# Altium PCB HV_Diffuser.PcbDoc (part 1 of 2)
Units mm, origin at the board's own origin, x right, y up, seen from the top; angles counter-clockwise.
Board outline 200 x 50 mm, 4 copper layers (Top Side, Ground Plane, Power Plane, Bottom Side), stack 0.844 mm thick; 181 components, 110 nets, 544 pads, 222 vias.
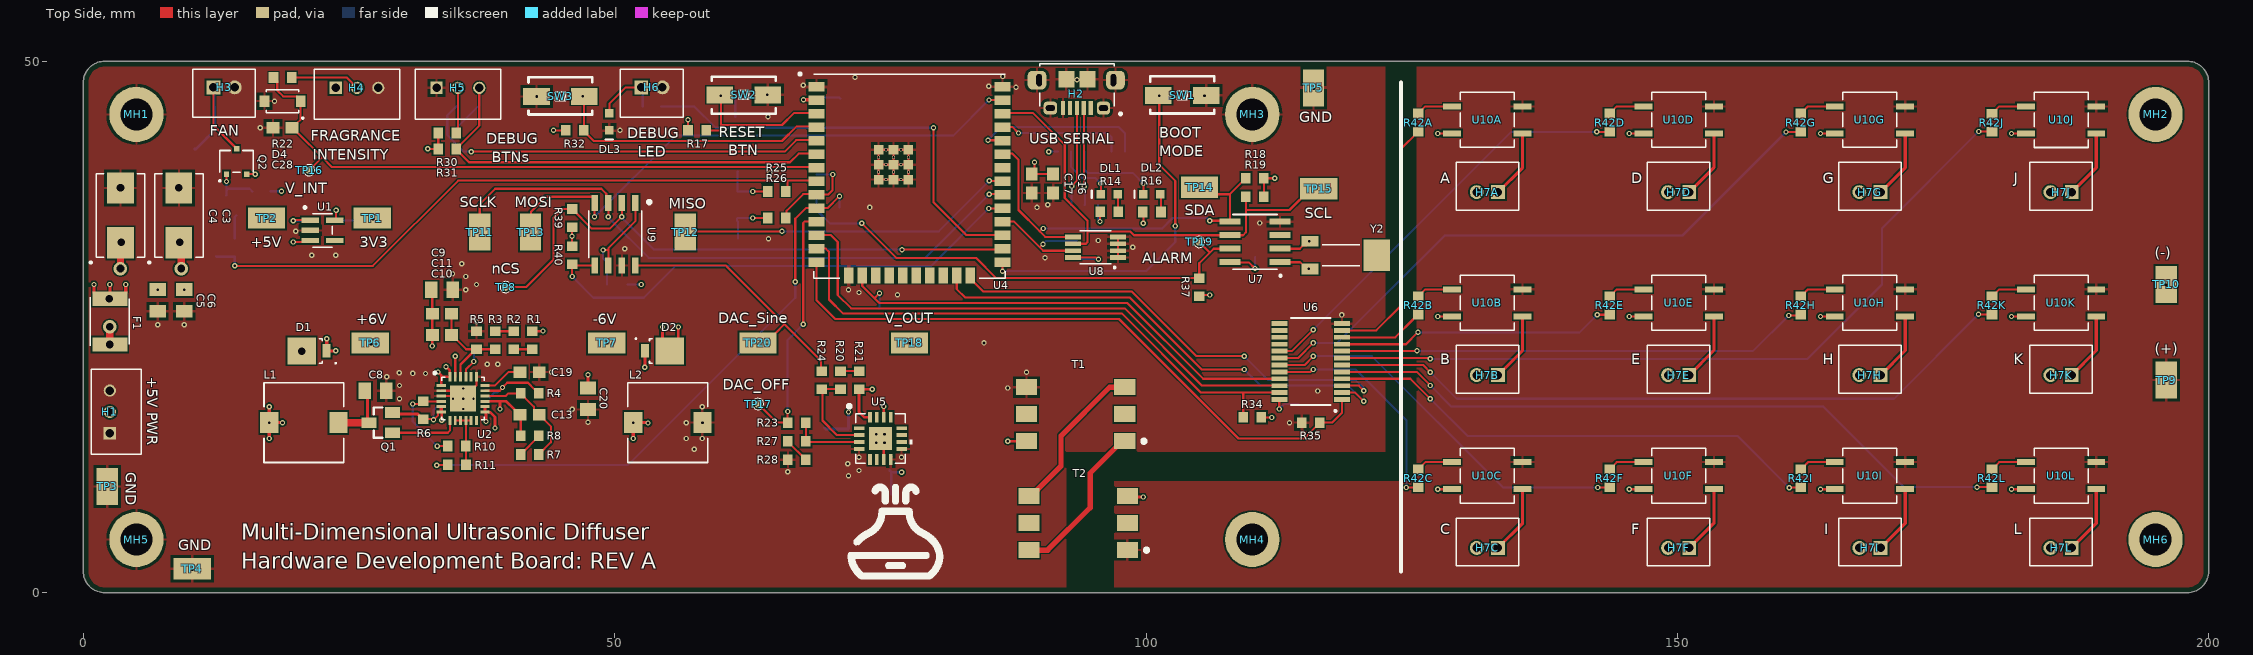
[diagram p0: Top Side view]
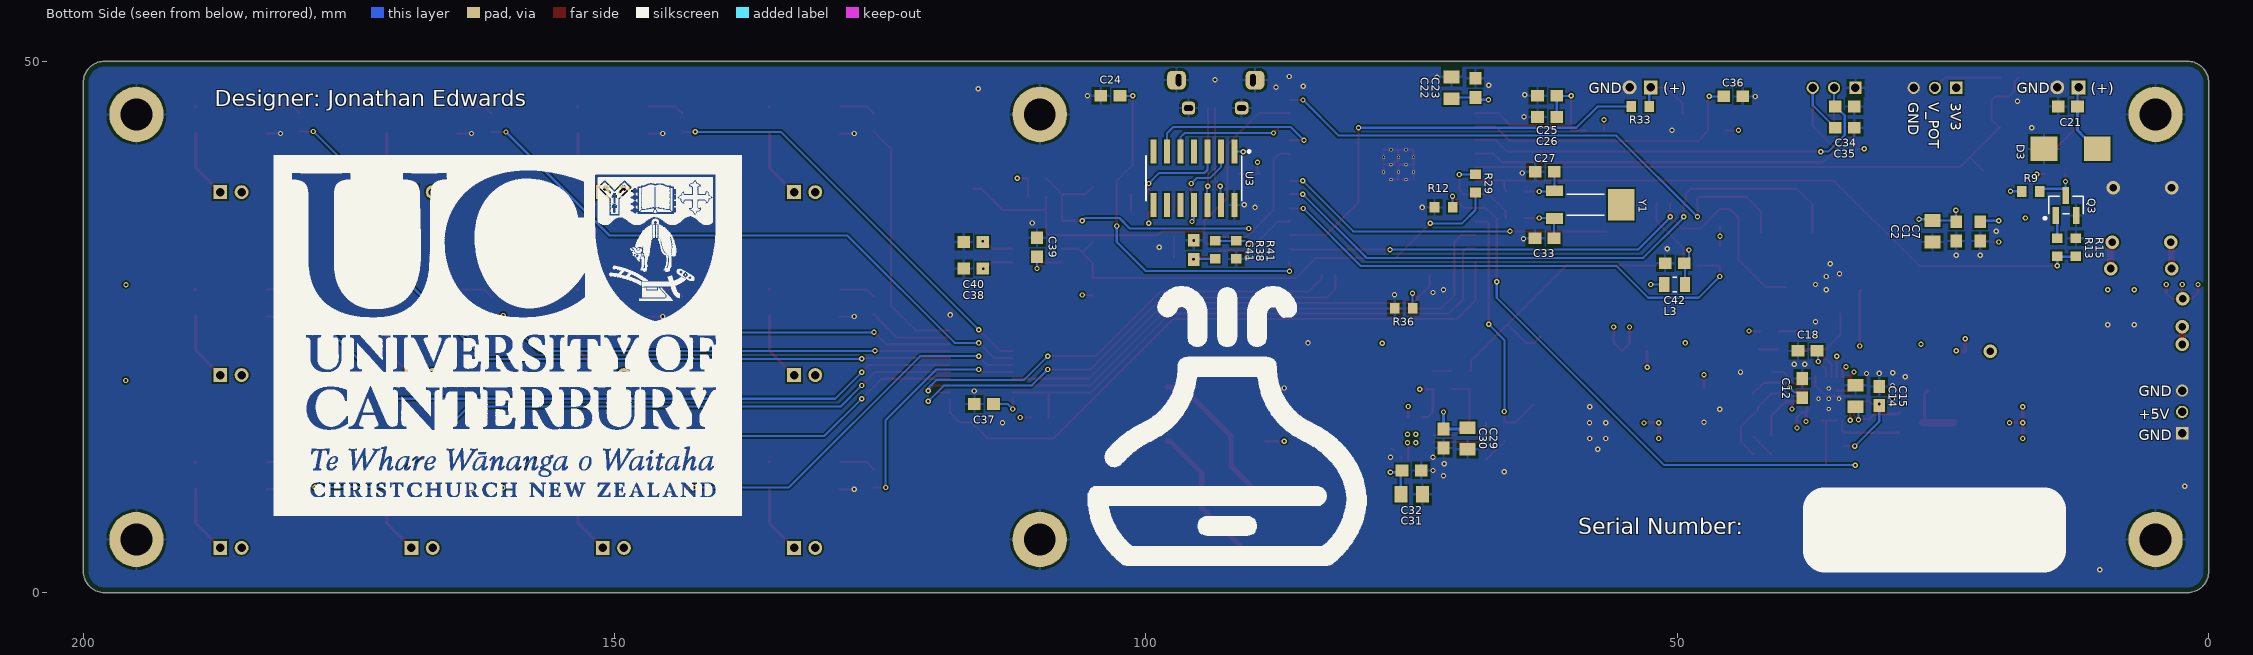
[diagram p1: Bottom Side view, seen from below]
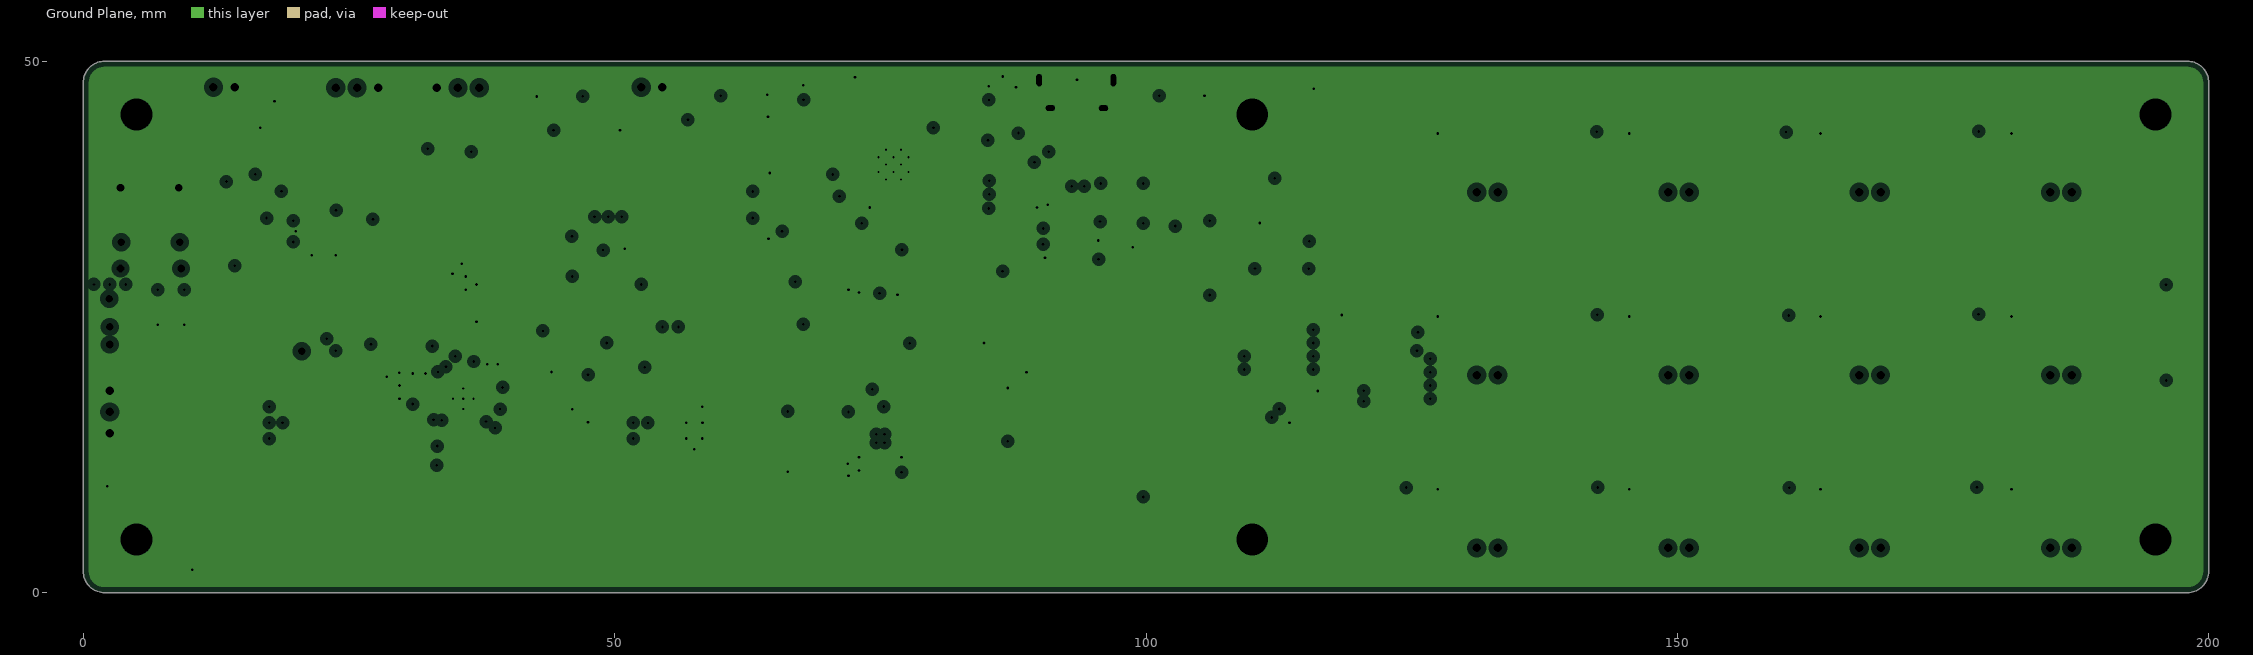
[diagram p2: Ground Plane, clearances drawn from the general rule]
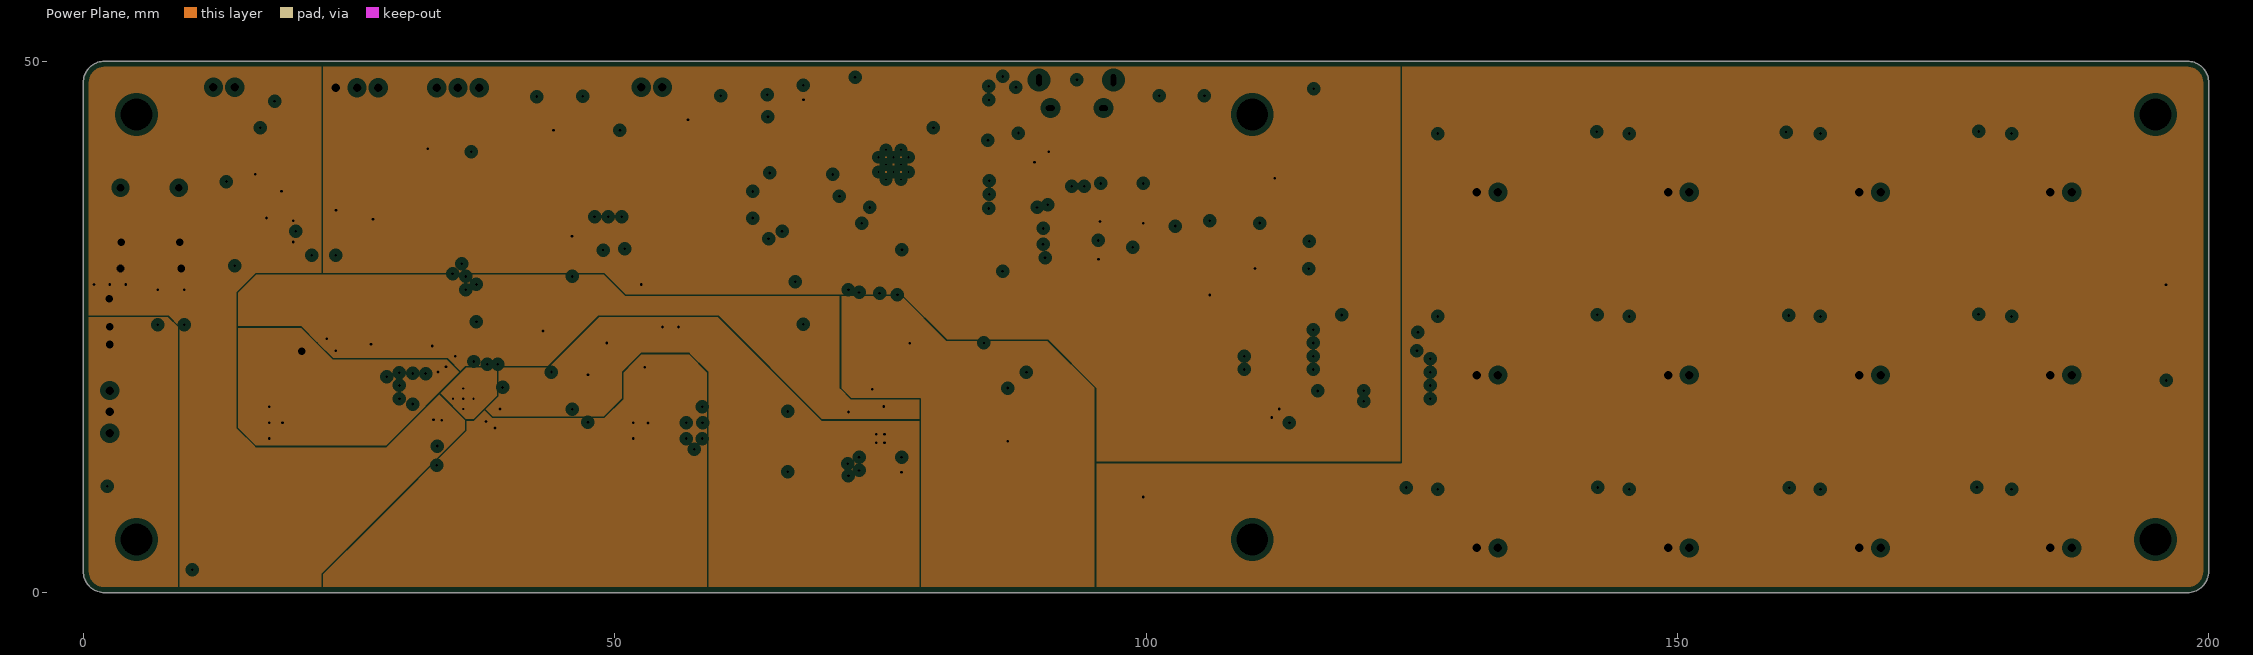
[diagram p3: Power Plane, clearances drawn from the general rule]
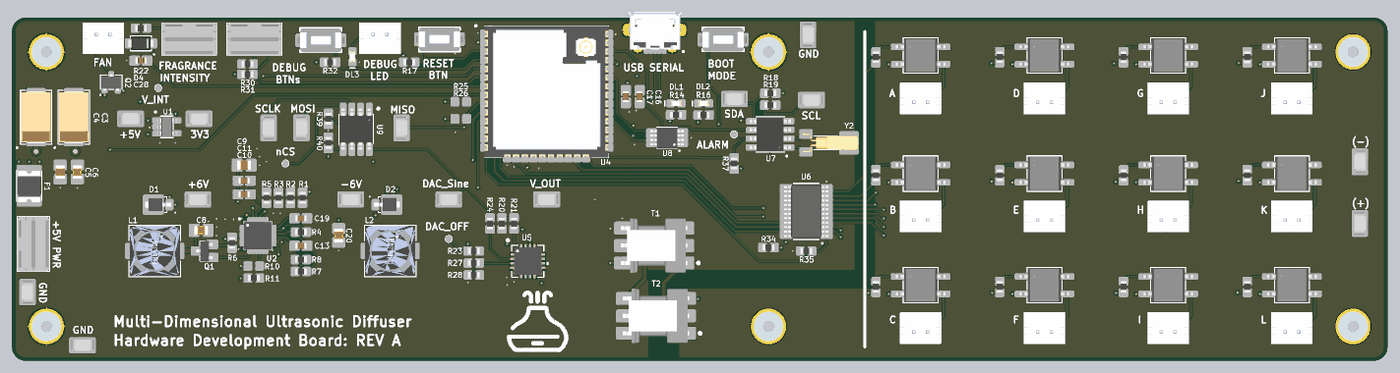
[diagram p5: 3D render of the assembled board from above, using the file's embedded part models]
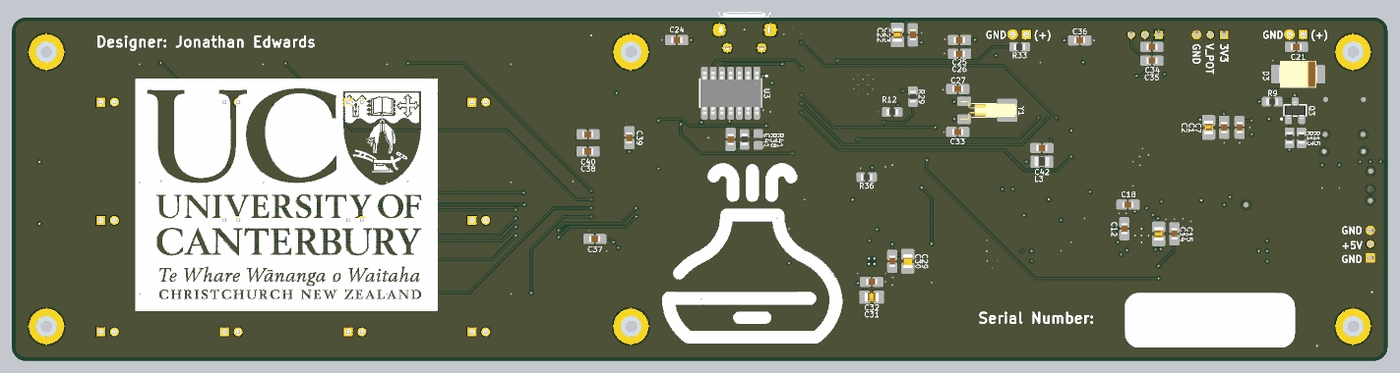
[diagram p6: 3D render of the assembled board from below, using the file's embedded part models]

## Layer stack, top to bottom
Top Solder: solder mask 0.0102, Solder Resist, Dk 3.5
Top Side: signal copper 0.0356
Dielectric 1: core 0.32, FR-4, Dk 4.8
Ground Plane: plane copper 0.036, net GND
Dielectric 3: prepreg 0.127, Dk 4.2
Power Plane: plane copper 0.036, net (Multiple Nets)
Dielectric 4: core 0.254, Dk 4.2
Bottom Side: signal copper 0.0356
Bottom Solder: solder mask 0.0102, Solder Resist, Dk 3.5

## Board outline
0,2 0,48 cw(c2,48) 2,50 198,50 cw(c198,48) 200,48 200,2 cw(c198,2) 198,0 2,0 cw(c2,2)

## Design rules (kind name [scope] priority, off if disabled: settings)
BoardOutlineClearance [All] p1: gap=0.5 ignorepadtopadclearanceinfootprint=FALSE
Clearance Min_Clearance_Circuit_Labs [All] p1: gap=0.15 ignorepadtopadclearanceinfootprint=FALSE except(0: Arc-Hole Track-Hole SMDPad-Hole THPad-Hole Via-Hole Fill-Hole Poly-Hole Region-Hole Text-Hole)
DiffPairsRouting [All] p1: maxlimit=0.254 minlimit=0.254 mostfreqgap=0.254 toplayer_minwidth=0.2 toplayer_maxwidth=0.381 toplayer_prefwidth=0.381 bottomlayer_minwidth=0.2 bottomlayer_maxwidth=0.381 bottomlayer_prefwidth=0.381 maxuncoupledlength=12.7
FanoutControl Fanout_BGA [IsBGA] p1 off: bgadir=Out bgaviamode=Centered fanoutstyle=Auto fanoutdirection=Alternating viagrid=0.025 // Fanout_BGA (Default Rule)
HoleSize [All] p1: absolutevalues=TRUE maxlimit=10 minlimit=0.3 maxpercent=80.000 minpercent=20.000
MinimumAnnularRing [All] p1: minimumring=0.1
MinimumSolderMaskSliver [All] p1: minsoldermaskwidth=0.25
NetAntennae [All] p1: netantennaetolerance=1
PasteMaskExpansion [All] p1 off: expansion=0.2
PlaneClearance [All] p1: clearance=0.508
PlaneConnect [All] p1: planeconnectstyle=Direct reliefexpansion=0.5 reliefentries=4 reliefconductorwidth=0.5 reliefairgap=0.254
PolygonConnect [All] p1: connectstyle=Relief reliefconductorwidth=0.254 reliefentries=4 polygonreliefangle="90 Angle" airgapwidth=0.254
RoutingVias [All] p1: holewidth=0.5 width=1 viastyle="Through Hole" minholewidth=0.3 minwidth=0.6 maxholewidth=1 maxwidth=2
SMDNeckDown [All] p1 off: percent=50.000
SMDToCorner [All] p1: distance=98425
SMDToPlane [All] p1: distance=1968504
SilkToSolderMaskClearance SilkscreenOverComponentPads [IsPad] p1: minsilkscreentomaskgap=0.254 clearancetoexposedcopper=TRUE
SolderMaskExpansion [All] p1: expansion=0.102 istentingtop=FALSE
ViasUnderSMD [All] p1: allowed=FALSE
Width [All] p1: maxlimit=2 minlimit=0.15 preferedwidth=0.3
21 further rules are at their usual default settings.

## Classes and differential pairs
channel class Ultrasonic_Transducer: U_Ultrasonic_Transducer1 U_Ultrasonic_Transducer2 U_Ultrasonic_Transducer3 U_Ultrasonic_Transducer4 U_Ultrasonic_Transducer5 U_Ultrasonic_Transducer6 U_Ultrasonic_Transducer7 U_Ultrasonic_Transducer8 U_Ultrasonic_Transducer9 U_Ultrasonic_Transducer10 U_Ultrasonic_Transducer11 U_Ultrasonic_Transducer12
net class EN[1..12]: EN1 EN2 EN3 EN4 EN5 EN6 EN7 EN8 EN9 EN10 EN11 EN12
component class U_Ultrasonic_Transducer12: H7L R42L U10L
component class U_Ultrasonic_Transducer11: H7K R42K U10K
component class U_Ultrasonic_Transducer10: H7J R42J U10J
component class U_Ultrasonic_Transducer9: H7I R42I U10I
component class U_Ultrasonic_Transducer8: H7H R42H U10H
component class U_Ultrasonic_Transducer7: H7G R42G U10G
component class U_Ultrasonic_Transducer6: H7F R42F
component class U_Ultrasonic_Transducer5: H7E R42E U10E
component class U_Ultrasonic_Transducer4: H7D R42D U10D
component class U_Ultrasonic_Transducer3: H7C R42C U10C
component class U_Ultrasonic_Transducer2: H7B R42B U10B
component class U_Ultrasonic_Transducer1: H7A R42A U10A
component class HV_Diffuser: C1 C2 C3 C4 C5 C6 C7 C8 C9 C10 C11 C12 C13 C14 C15 C16 C17 C18 C19 C20 C21 C22 C23 C24 C25 C26 C27 C28 C29 C30 C31 C32 C33 C34 C35 C36 C37 C38 C39 C40 C41 C42 D1 D2 D3 D4 DL1 DL2 DL3 F1 H1 H2 H3 H4 H5 H6 L1 L2 L3 MH1 MH2 MH3 MH4 MH5 MH6 Q1 Q2 Q3 R1 R2 R3 R4 R5 R6 R7 R8 R9 R10 R11 R12 R13 R14 R15 R16 R17 R18 R19 R20 R21 R22 R23 R24 R25 R26 R27 R28 R29 R30 R31 R32 R33 R34 R35 R36 R37 R38 R39 R40 R41 SW1 SW2 SW3 T1 T2 TP1 TP2 TP3 TP4 TP5 TP6 TP7 TP8 TP9 TP10 TP11 TP12 TP13 TP14 TP15 TP16 TP17 TP18 TP19 TP20 U1 U2 U3 U4 U5 U6 U7 U8 U9 Y1 Y2
differential pair D: +D_P -D_N

## Components (designator, comment, footprint, x,y, rotation, side; value= is the part's Value field where it differs from the comment)
C1 "100nF" C_0603 23.75,34 r90 bottom
C2 "22uF" C_0805 26,34 r90 bottom
C3 "220uF" C_2917 9,35.5 r90 top
C4 "220uF" C_2917 3.5,35.5 r90 top
C5 "22uF" C_0805 7,27.5 r90 top
C6 "22uF" C_0805 9.5,27.5 r90 top
C7 "100nF" C_0603 21.5,34 r90 bottom
C8 "4.7uF" C_0805 27.5,19 r180 top
C9 "22uF" C_0805 33.75,28.5 r180 top
C10 "12pF" C_0603 33.75,24.25 r180 top
C11 "1pF" C_0603 33.75,26.25 r180 top
C12 "220nF" C_0603 38.25,19.25 r90 bottom
C13 "12pF" C_0603 42,16.75 r0 top
C14 "4.7uF" C_0805 33.25,18.5 r270 bottom
C15 "100nF" C_0603 31,18.5 r270 bottom
C16 "100nF" C_0603 91.25,38.5 r90 top
C17 "220nF" C_0603 89.25,38.5 r270 top
C18 "10nF" C_0603 37.75,22.75 r180 bottom
C19 "4.7nF" C_0603 42,20.75 r180 top
C20 "22uF" C_0805 47.5,18.25 r90 top
C21 "100pF" C_0603 13.25,45.75 r180 bottom
C22 "22uF" C_0805 71.25,47.5 r270 bottom
C23 "100nF" C_0603 69,47.5 r270 bottom
C24 "100nF" C_0603 103.35,46.75 r180 bottom
C25 "1uF" C_0603 62.25,46.75 r180 bottom
C26 "100nF" C_0603 62.25,44.75 r180 bottom
C27 "12pF" C_0603 62.481,39.613 r180 bottom
C28 "100nF" C_0603 18.75,43.75 r0 top
C29 "4.7uF" C_0805 69.75,14.5 r90 bottom
C30 "100nF" C_0603 72,14.5 r90 bottom
C31 "4.7uF" C_0805 75,9.25 r0 bottom
C32 "100nF" C_0603 75,11.5 r0 bottom
C33 "12pF" C_0603 62.5,33.339 r180 bottom
C34 "100nF" C_0603 34.25,45.75 r0 bottom
C35 "100nF" C_0603 34.25,43.75 r0 bottom
C36 "100nF" C_0603 44.744,46.7 r0 bottom
C37 "100nF" C_0603 115.25,17.75 r180 bottom
C38 "12pF" C_0603 116.25,30.5 r180 bottom
C39 "100nF" C_0603 110.25,32.5 r270 bottom
C40 "12pF" C_0603 116.25,33 r180 bottom
C41 "100nF" C_0603 95.5,32.25 r270 bottom
C42 "100nF" C_0603 50.25,31 r180 bottom
D1 "MBRM120LT3G" DO-216AA 21.25,22.75 r90 top
D2 "MBRM120LT3G" DO-216AA 54.5,22.75 r270 top
D3 "S1GB-13-F" "DO-214AA, SMB" 10.5,41.75 r0 bottom
D4 "PTVS3V3S1UTR,115" CR_PTVS3V_NEX-M 18.75,46.25 r180 top
DL1 "Red" WL-SMCW0603 95.75,37.5 r0 top
DL2 "Yellow" WL-SMCW0603 99.752,37.5 r0 top
DL3 "Blue" WL-SMCW0603 49.5,43.5 r90 top
F1 "PTC - 3A" PTC_Fuse_1812 2.5,25.5 r90 top
H1 "3 pin - 2mm" TE_440054-3 2.5,15 r90 top
H2 "JS_USB_MICRO_B" JS_USB_MICRO_B 93.5,49.75 r180 top
H3 "2 Pin Male 2mm" JST_B2B-PH-K-S 13.25,47 r180 top
H4 "3 pin - 2mm" TE_440054-3 23.75,47.5 r0 top
H5 "3 pin - 2mm" TE_440054-3 33.25,47.5 r0 top
H6 "2 Pin Male 2mm" JST_B2B-PH-K-S 53.5,47 r180 top
H7A "Piezo - 108kHz" JST_B2B-PH-K-S 132.121,38.235 r0 top (schematic designator H7)
H7B "Piezo - 108kHz" JST_B2B-PH-K-S 132.121,21.022 r0 top (schematic designator H7)
H7C "Piezo - 108kHz" JST_B2B-PH-K-S 132.121,4.76 r0 top (schematic designator H7)
H7D "Piezo - 108kHz" JST_B2B-PH-K-S 150.121,38.235 r0 top (schematic designator H7)
H7E "Piezo - 108kHz" JST_B2B-PH-K-S 150.121,21.022 r0 top (schematic designator H7)
H7F "Piezo - 108kHz" JST_B2B-PH-K-S 150.121,4.76 r0 top (schematic designator H7)
H7G "Piezo - 108kHz" JST_B2B-PH-K-S 168.121,38.235 r0 top (schematic designator H7)
H7H "Piezo - 108kHz" JST_B2B-PH-K-S 168.121,21.022 r0 top (schematic designator H7)
H7I "Piezo - 108kHz" JST_B2B-PH-K-S 168.121,4.76 r0 top (schematic designator H7)
H7J "Piezo - 108kHz" JST_B2B-PH-K-S 186.107,38.233 r0 top (schematic designator H7)
H7K "Piezo - 108kHz" JST_B2B-PH-K-S 186.107,21.022 r0 top (schematic designator H7)
H7L "Piezo - 108kHz" JST_B2B-PH-K-S 186.107,4.76 r0 top (schematic designator H7)
L1 "7447789004 - 4.7uH" "7447789004 - 4.7uH" 24,16 r180 top
L2 "7447789004 - 4.7uH" "7447789004 - 4.7uH" 58.25,16 r180 top
L3 "LQM21DH100M70L" R_0805 50.25,29 r180 bottom
MH1 "MH_M2" MH_M2 5,45 r0 top locked
MH2 "MH_M2" MH_M2 195,45 r0 top locked
MH3 "MH_M2" MH_M2 110,45 r0 top locked
MH4 "MH_M2" MH_M2 110,5 r0 top locked
MH5 "MH_M2" MH_M2 5,5 r0 top
MH6 "MH_M2" MH_M2 195,5 r0 top locked
Q1 "SI2323DS-T1-E3" SOT23 28,16 r90 top
Q2 "SSM3J328R" SOT-23F 14.5,40.75 r0 top
Q3 "MMBT3904" SOT23_NXP-M 13.5,36.5 r180 bottom
R1 "511k" R_0603 42.25,23.75 r270 top
R2 "1K" R_0603 40.5,23.75 r270 top
R3 "1K" R_0603 38.75,23.75 r270 top
R4 "130K" R_0603 42,18.75 r180 top
R5 "130K" R_0603 37,23.75 r90 top
R6 "100R" R_0603 32,17.173 r270 top
R7 "642k" R_0603 42,13 r180 top
R8 "1K" R_0603 42,14.75 r0 top
R9 "100K" R_0603 16.75,37.75 r180 bottom
R10 "NC" R_0603_NC 35.154,13.798 r180 top
R11 "0R" R_0603 35.163,12.047 r180 top
R12 "100K" R_0603 72,36.25 r180 bottom
R13 "100K" R_0603 14.25,32.5 r270 bottom
R14 "4.7K" R_0603 96.559,35.833 r0 top
R15 "100K" R_0603 12.5,32.5 r90 bottom
R16 "4.7K" R_0603 100.563,35.812 r0 top
R17 "10K" R_0603 57.75,43.5 r0 top
R18 "4.7K" R_0603 110.25,39 r0 top
R19 "4.7K" R_0603 110.25,37.25 r0 top
R20 "1K" R_0603 71.25,20 r270 top
R21 "1K" R_0603 73,20 r90 top
R22 "10K" R_0603 18.75,48.476 r180 top
R23 "1K" R_0603 67.15,16 r180 top
R24 "1K" R_0603 69.5,20 r90 top
R25 "NC" R_0603_NC 65.25,37.75 r0 top
R26 "NC" R_0603_NC 65.25,35.25 r0 top
R27 "1K" R_0603 67.15,14.25 r0 top
R28 "1K" R_0603 67.15,12.5 r180 top
R29 "0R" R_0603 69,38.5 r270 bottom
R30 "10K" R_0603 34.25,43.25 r180 top
R31 "10K" R_0603 34.25,41.75 r180 top
R32 "10K" R_0603 46.25,43.5 r180 top
R33 "4.7K" R_0603 53.5,45.75 r0 bottom
R34 "100K" R_0603 110,16.5 r0 top
R35 "100K" R_0603 115.5,16 r0 top
R36 "100K" R_0603 75.75,26.75 r180 bottom